# Altium PCB RFFE-Ver1A.PcbDoc (part 1 of 7)
Units mm, origin at the board's own origin, x right, y up, seen from the top; angles counter-clockwise.
Board outline 301.4 x 196.6 mm, 10 copper layers (RFsignal Top, Ground RF signal, Supply, SupplyGND, Digital signal, DigitalGND, CallTone RF, Ground Calltone, Ground RF signal (Plane6), RFsignal Bottom), stack 1.907 mm thick; 558 components, 369 nets, 2153 pads, 4580 vias.
Unrouted connection lines stored in the file: 1.
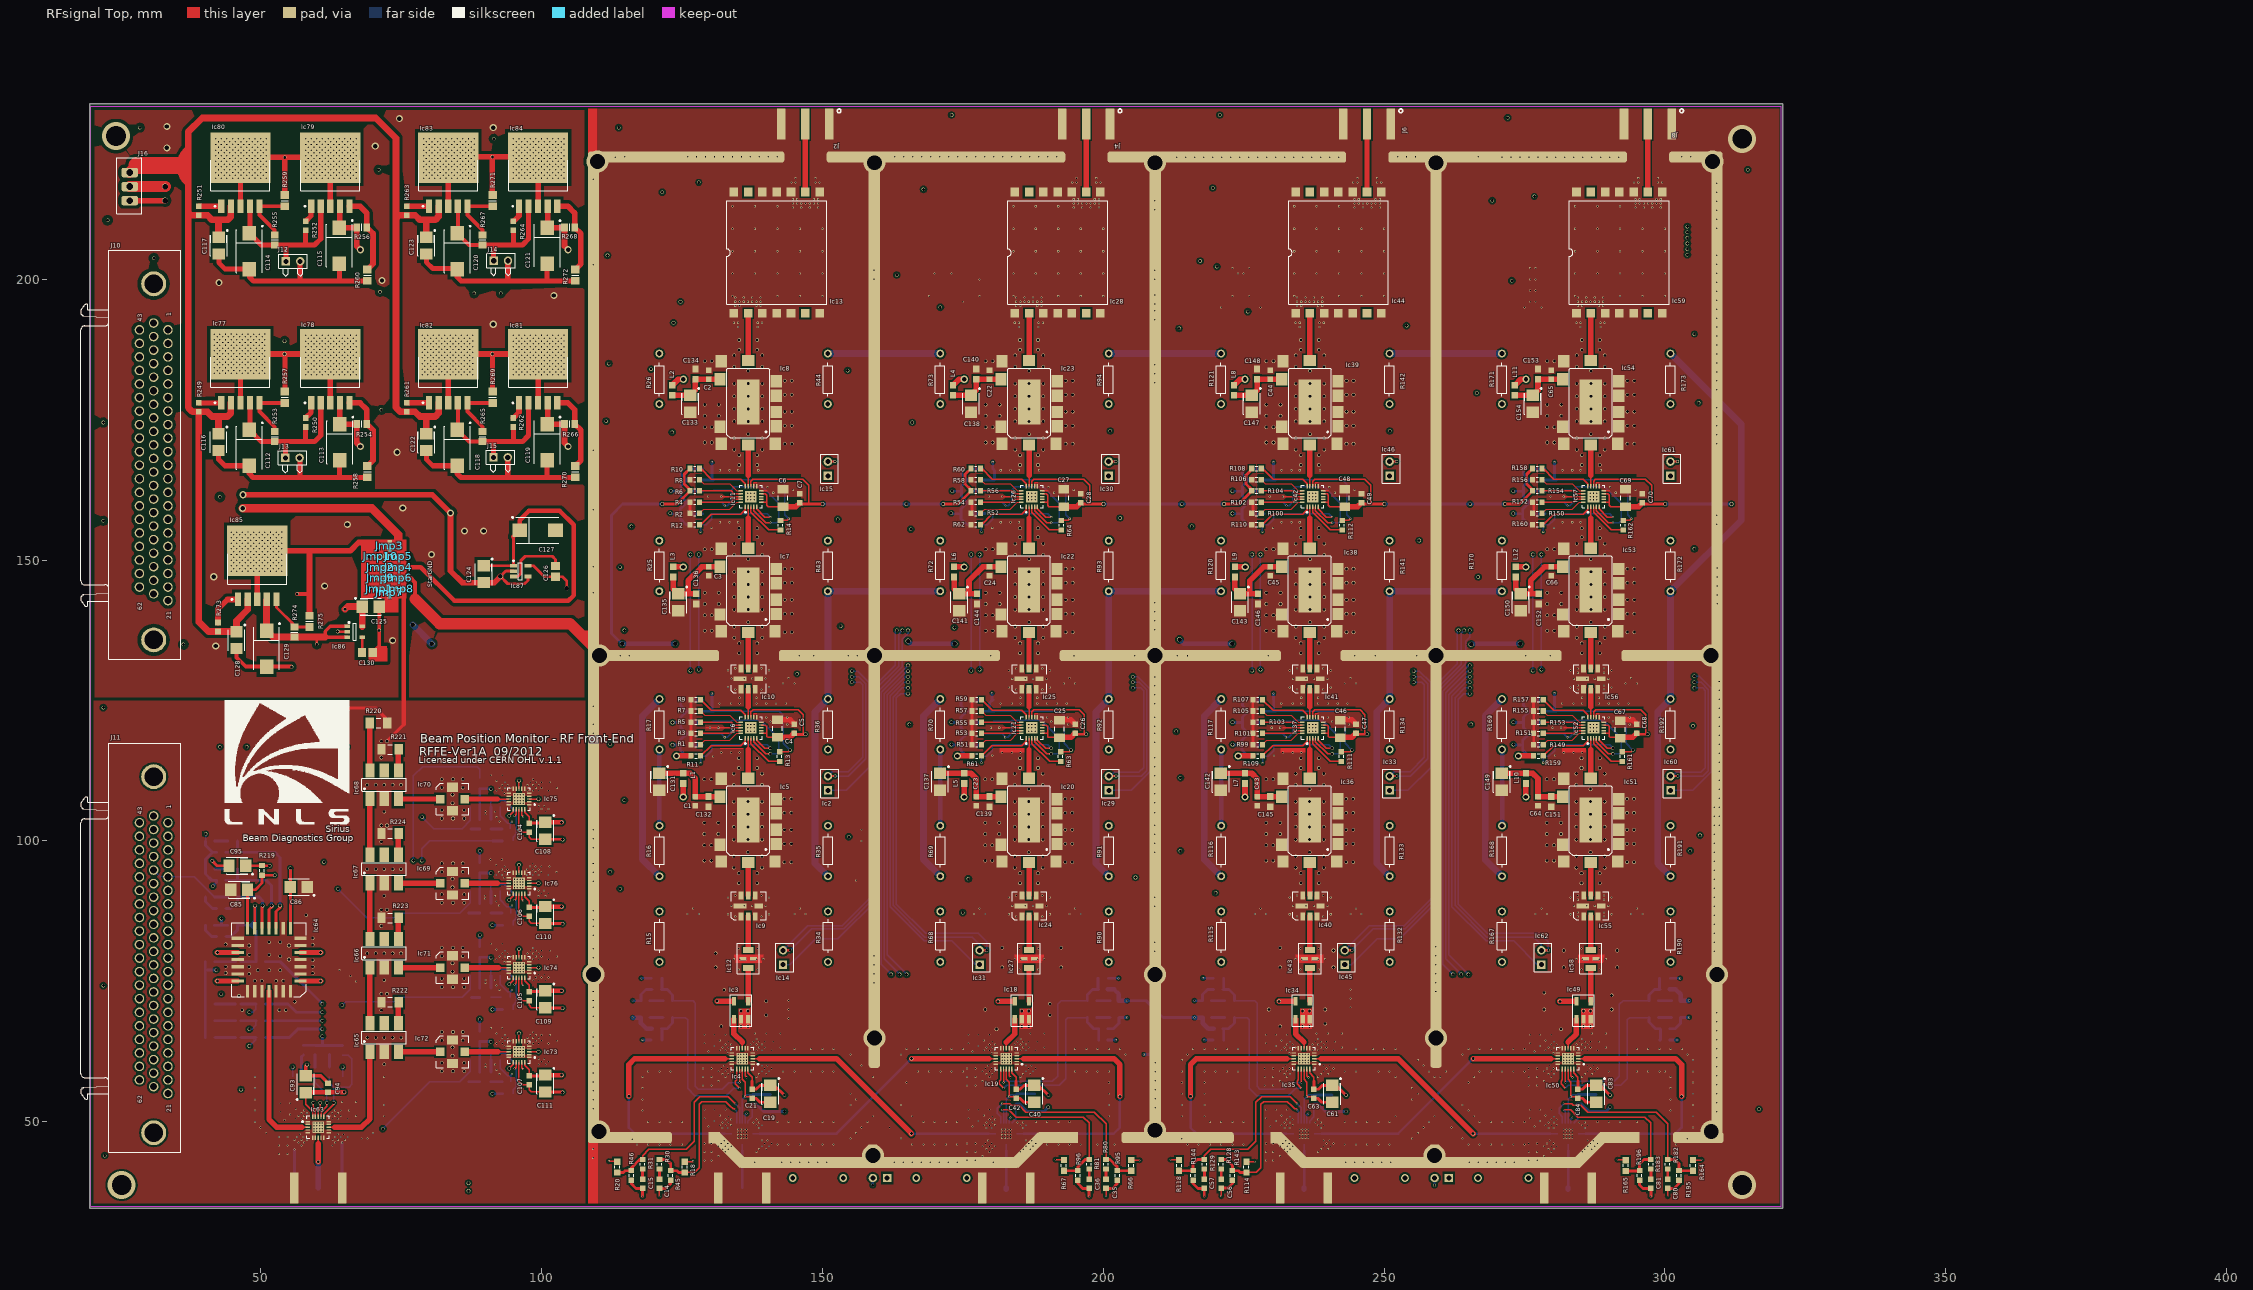
[diagram p0: RFsignal Top view]
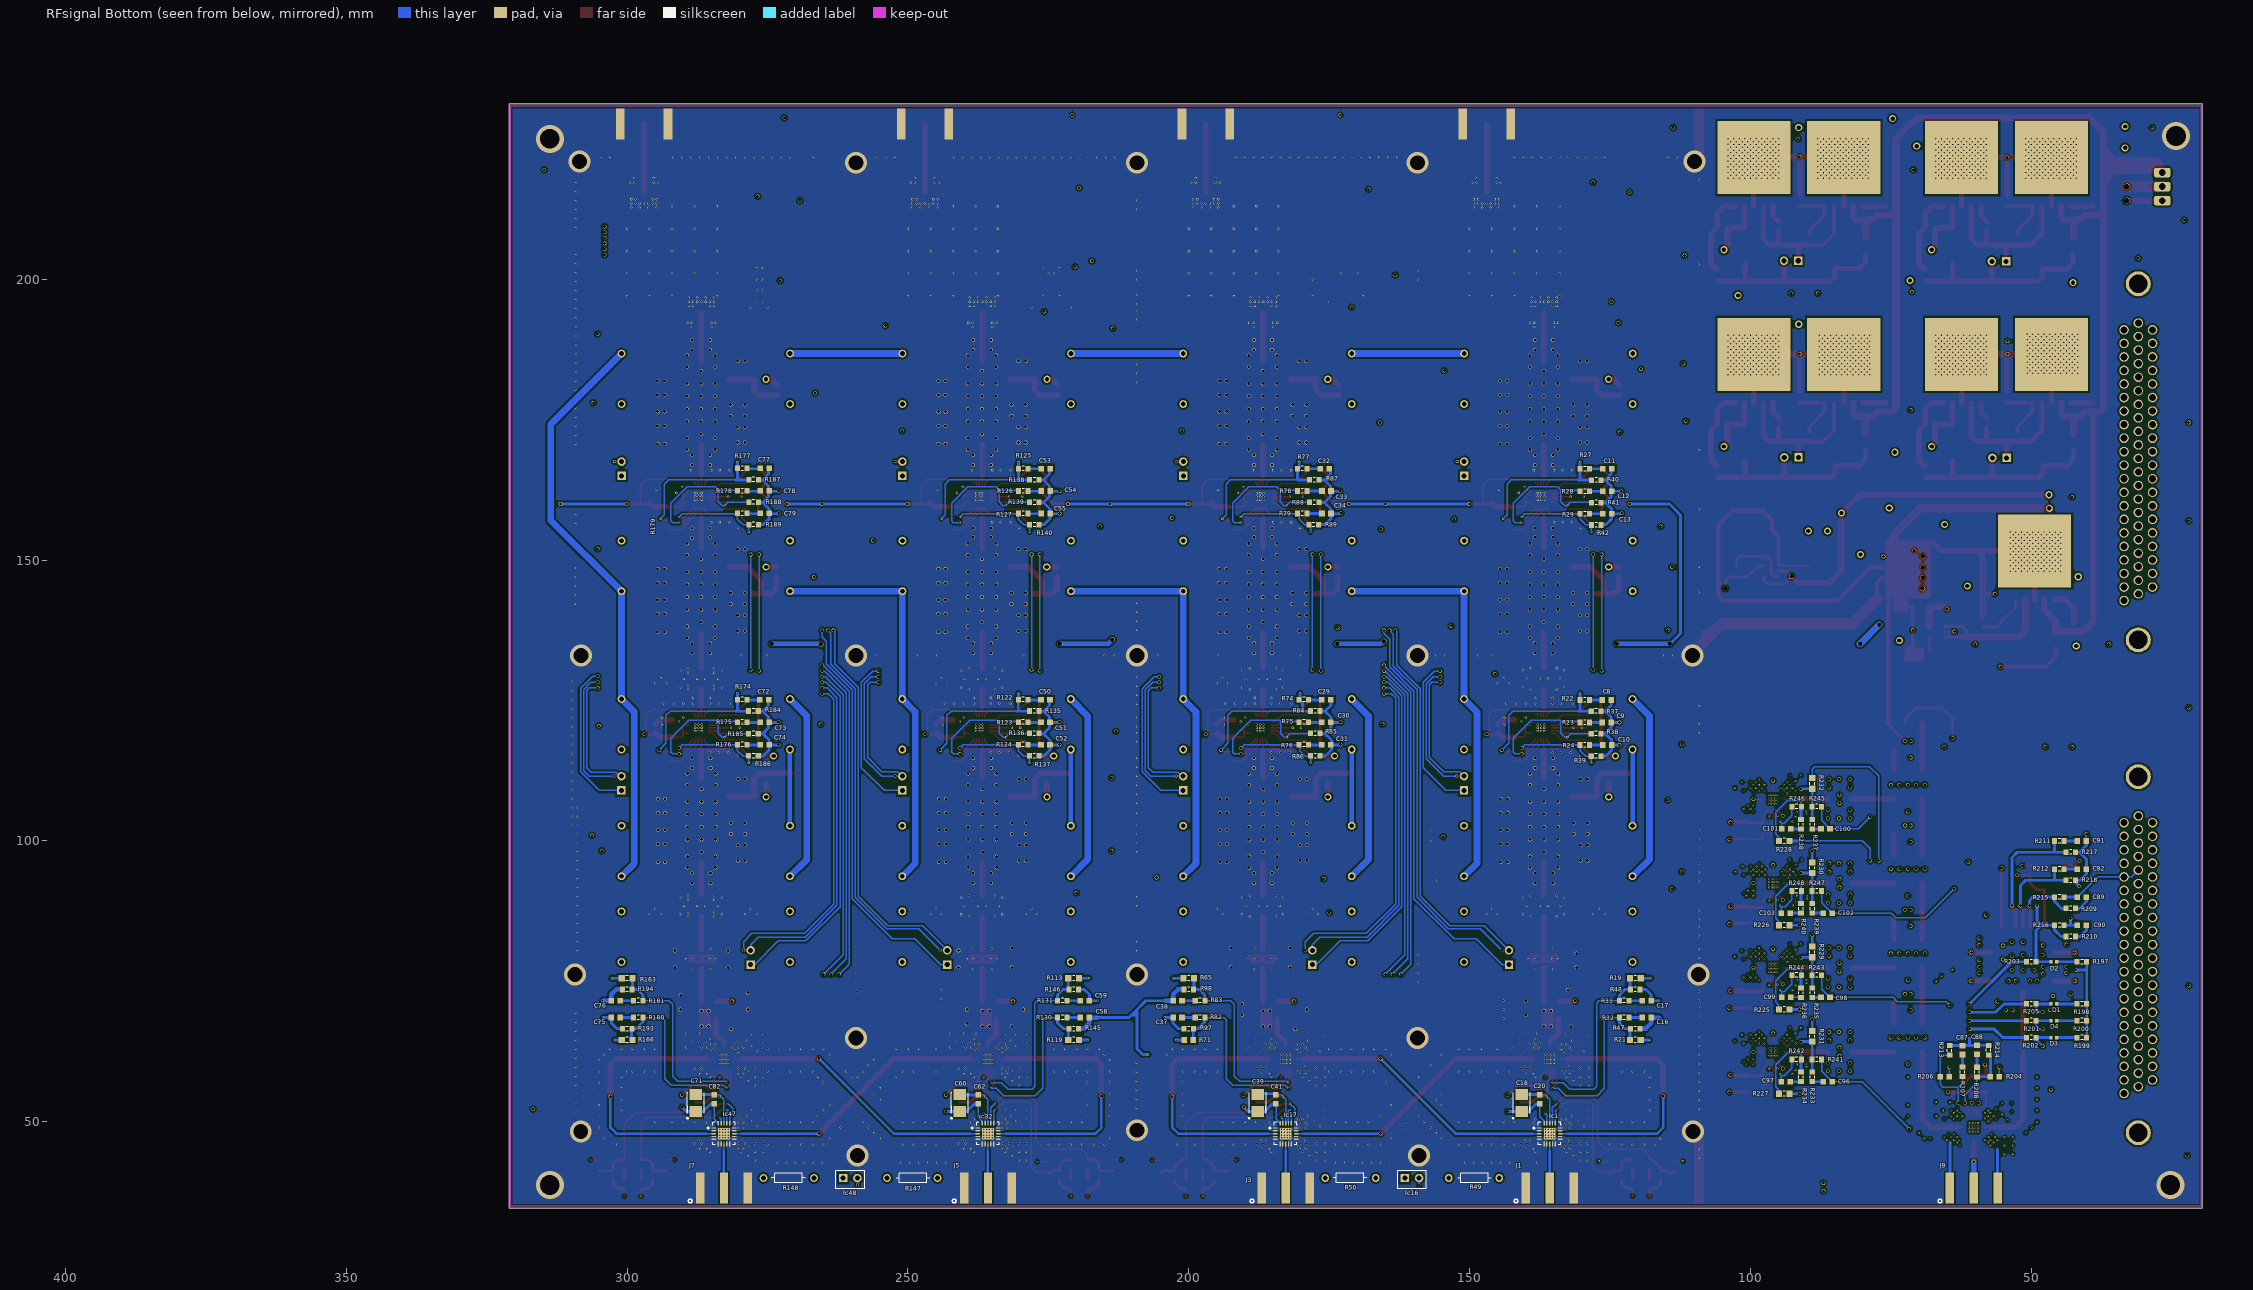
[diagram p1: RFsignal Bottom view, seen from below]
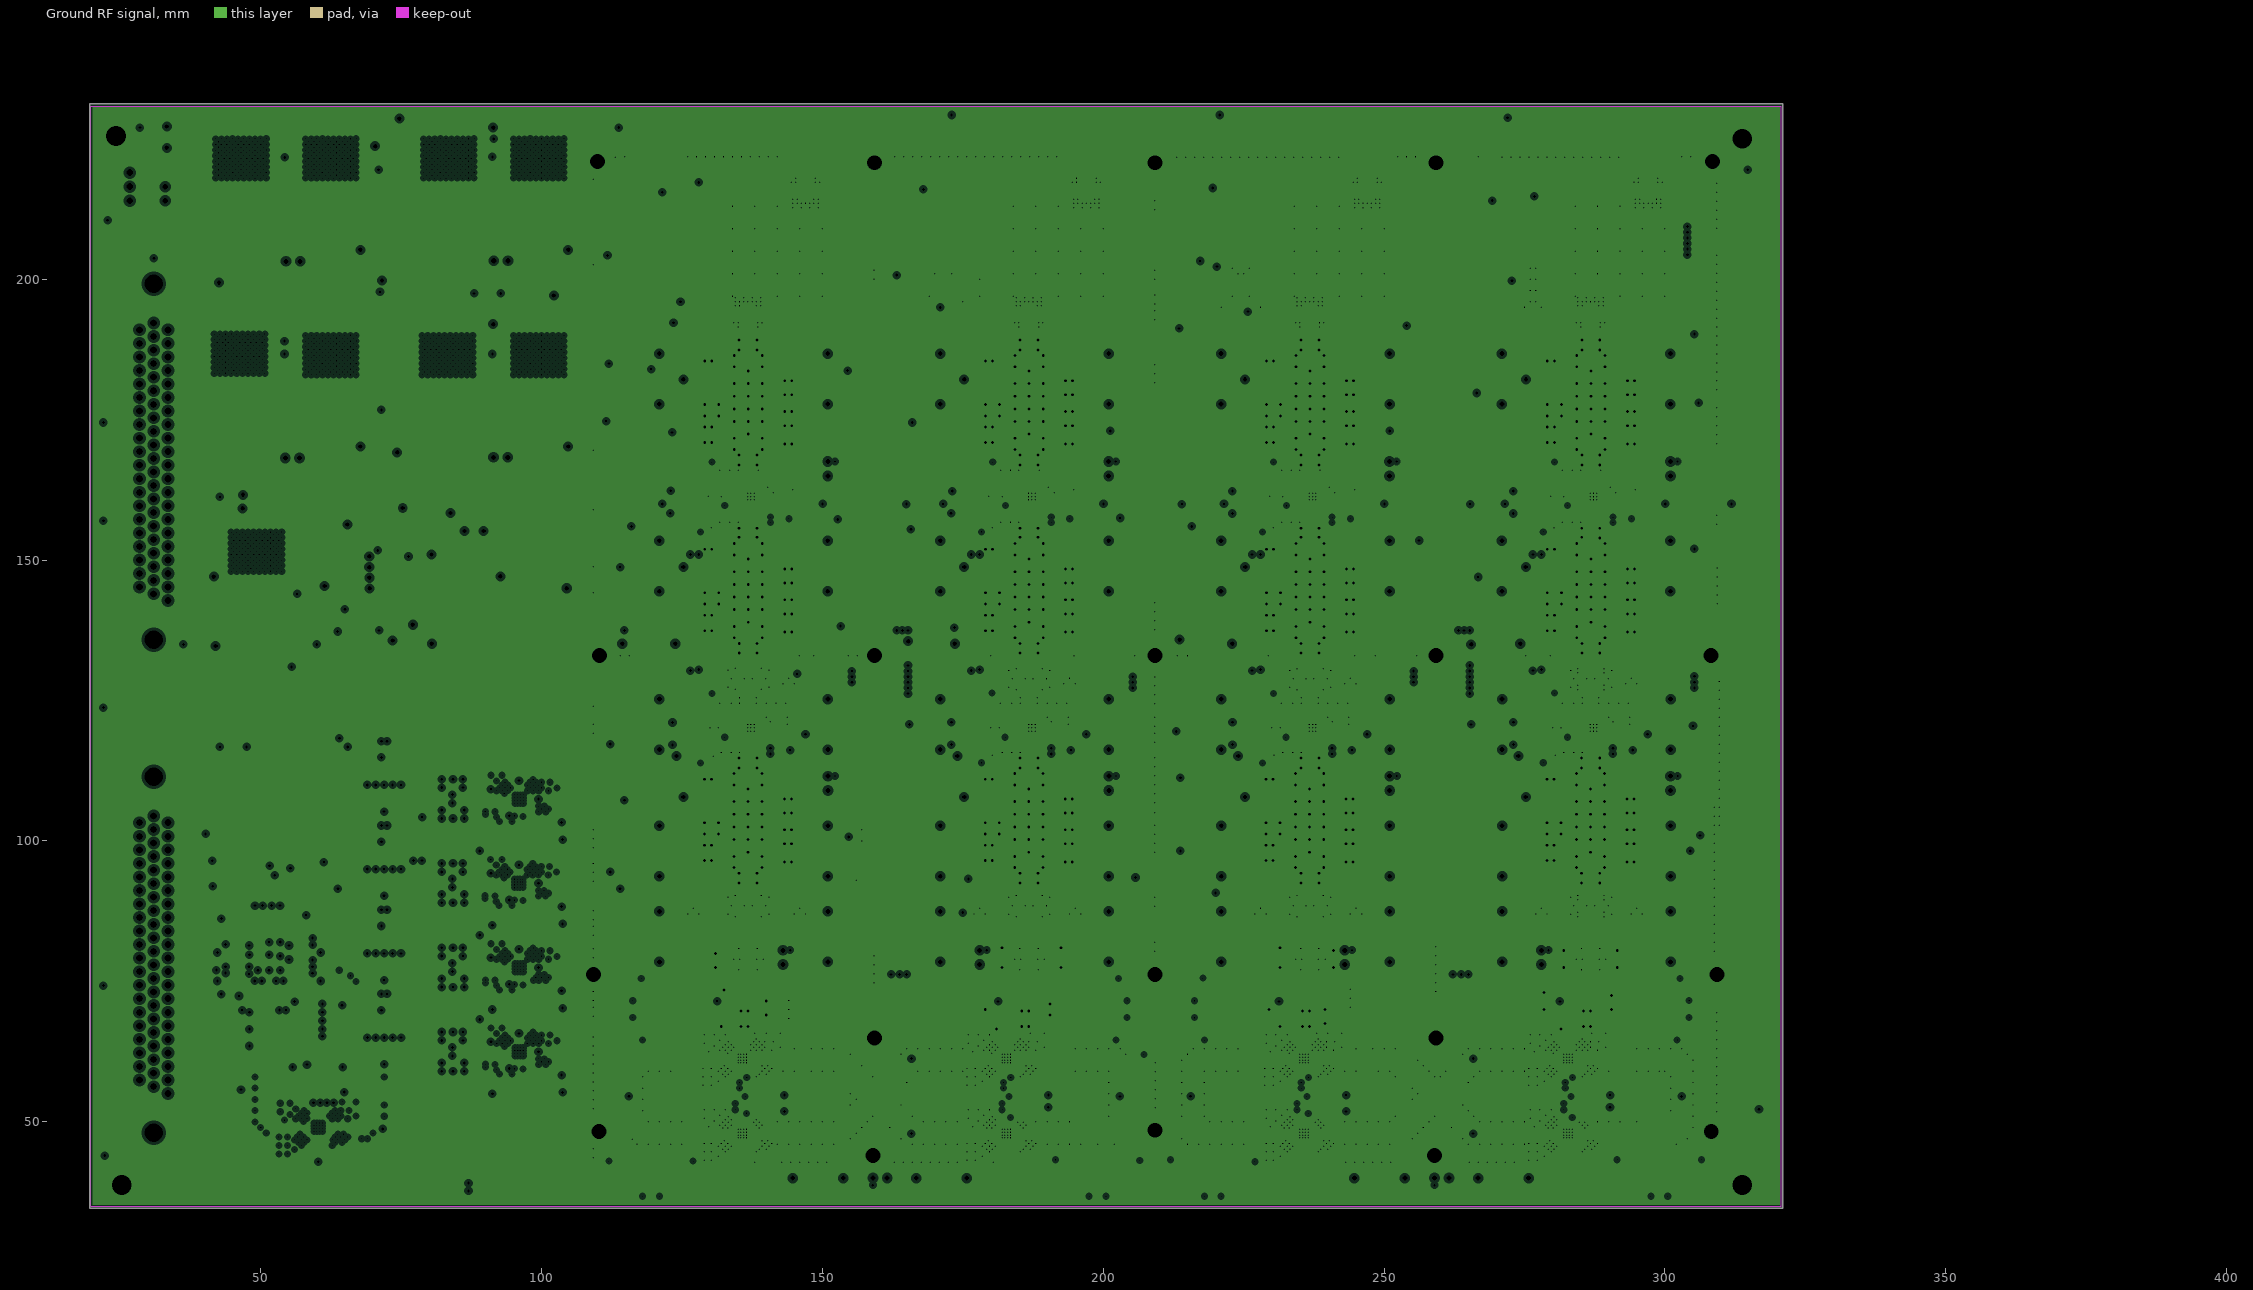
[diagram p2: Ground RF signal, clearances drawn from the general rule]
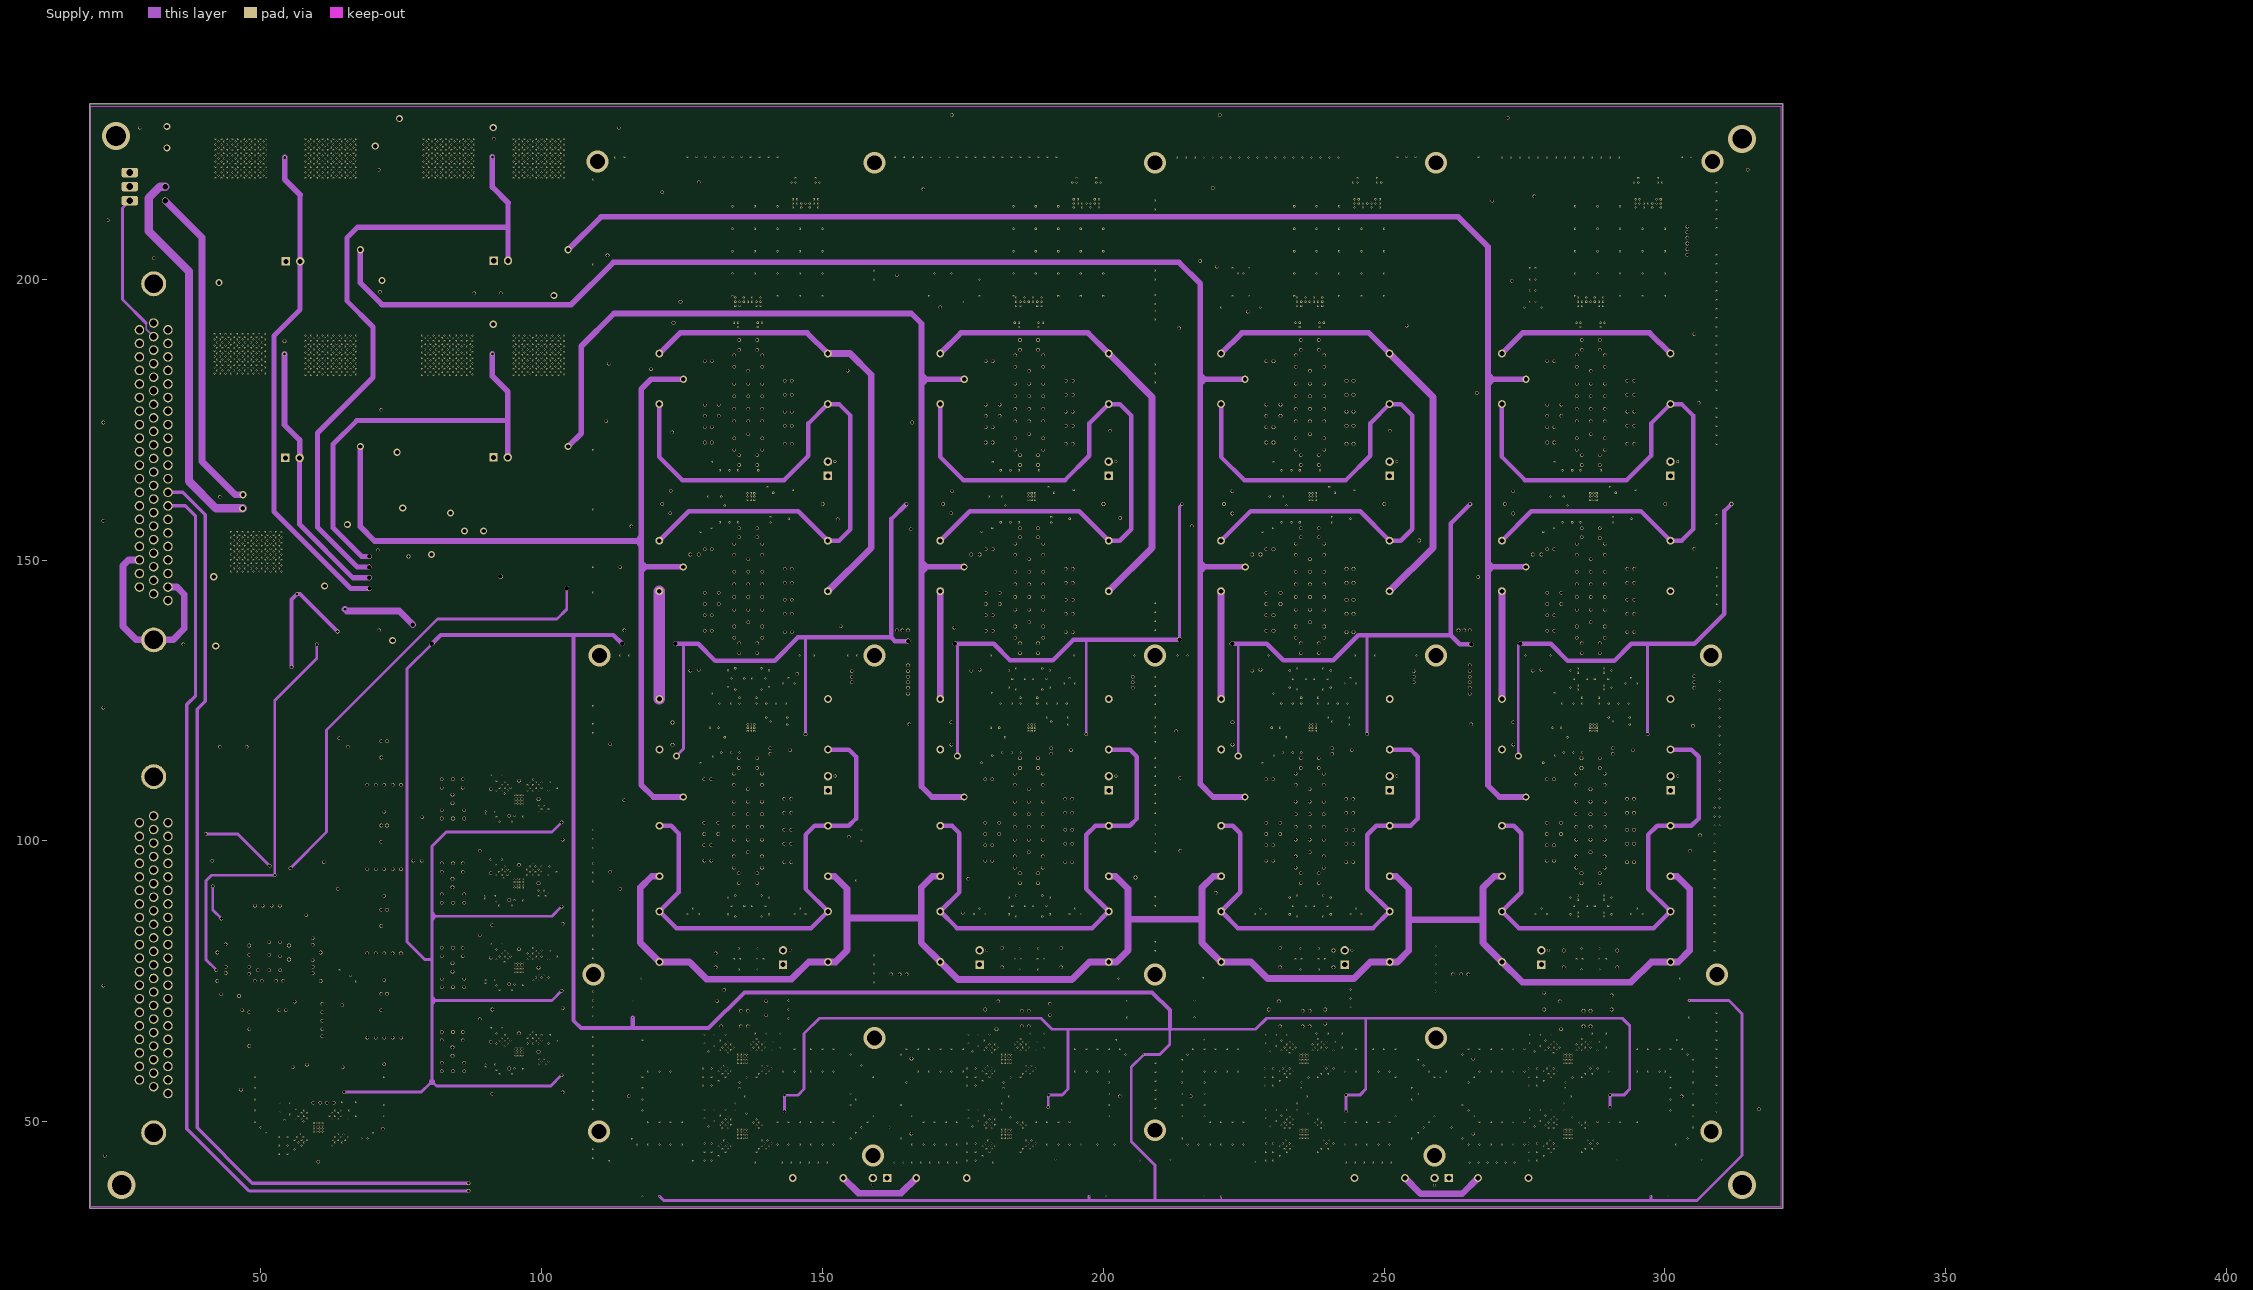
[diagram p3: Supply]
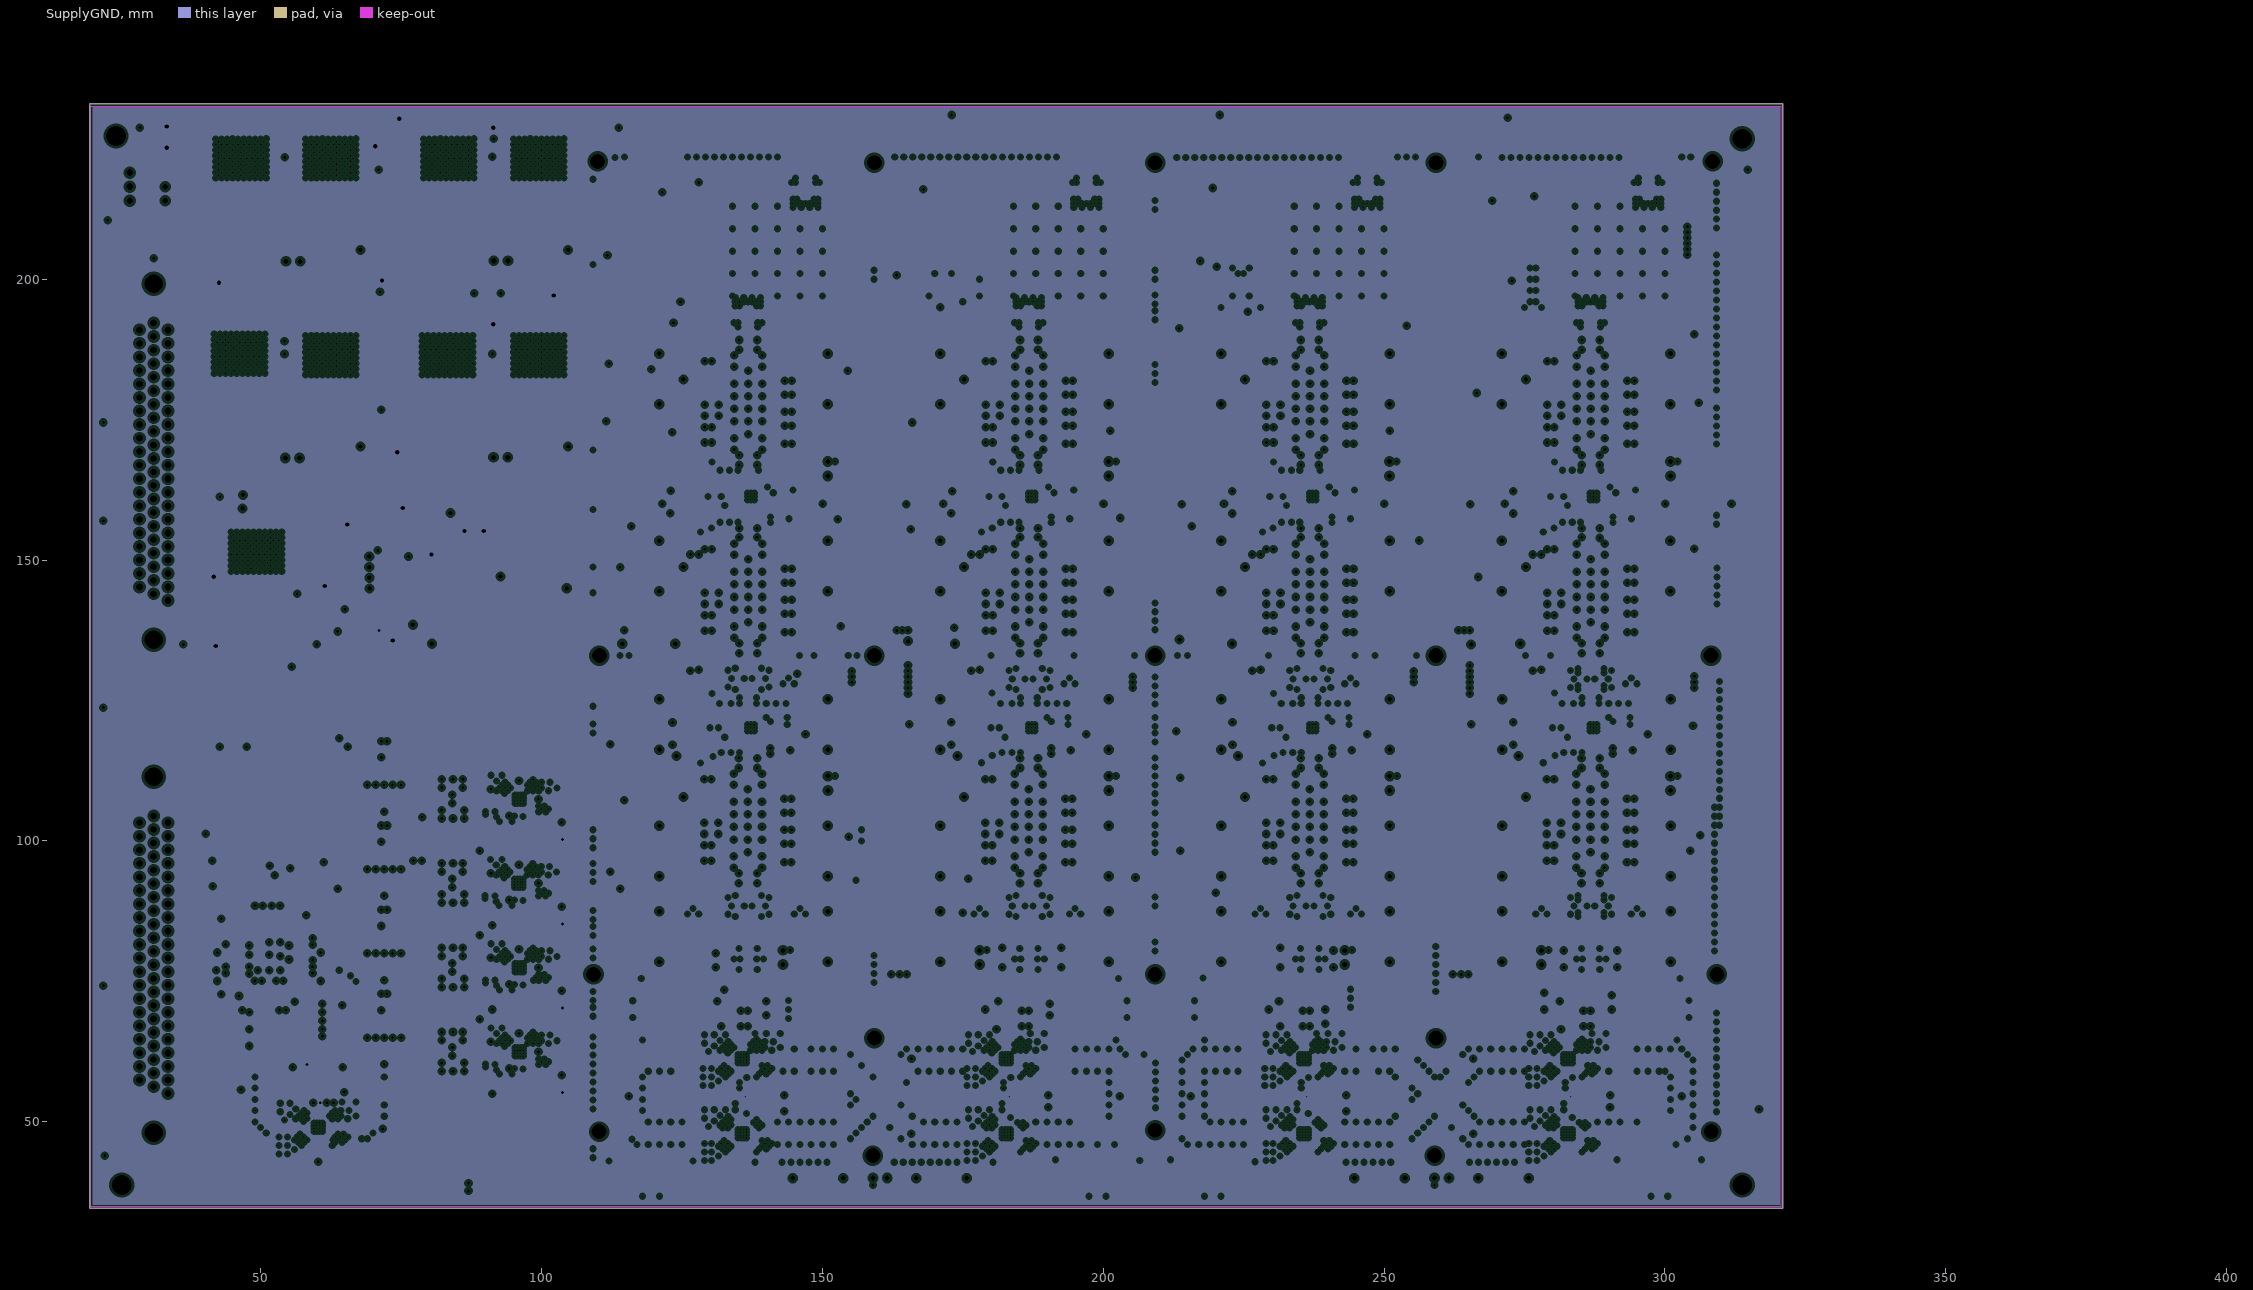
[diagram p4: SupplyGND, clearances drawn from the general rule]